# Altium PCB mantarray_beta2_sensor_arrayed.PcbDoc (part 8 of 14)
Units mil, origin at the board's own origin, x right, y up, seen from the top; angles counter-clockwise.
Board outline 6232.47 x 10167.51 mil, 8 copper layers (Layer1_Top, Layer2_sig1, Layer3_AVDD_PLANE, Layer4_GND_PLANE, Layer5_DVDD_PLANE, Layer6_BUS, Layer7_sig2, Layer8_BOT), stack 50.224 mil thick; 470 components, 492 nets, 4650 pads, 3798 vias.
Unrouted connection lines stored in the file: 3.
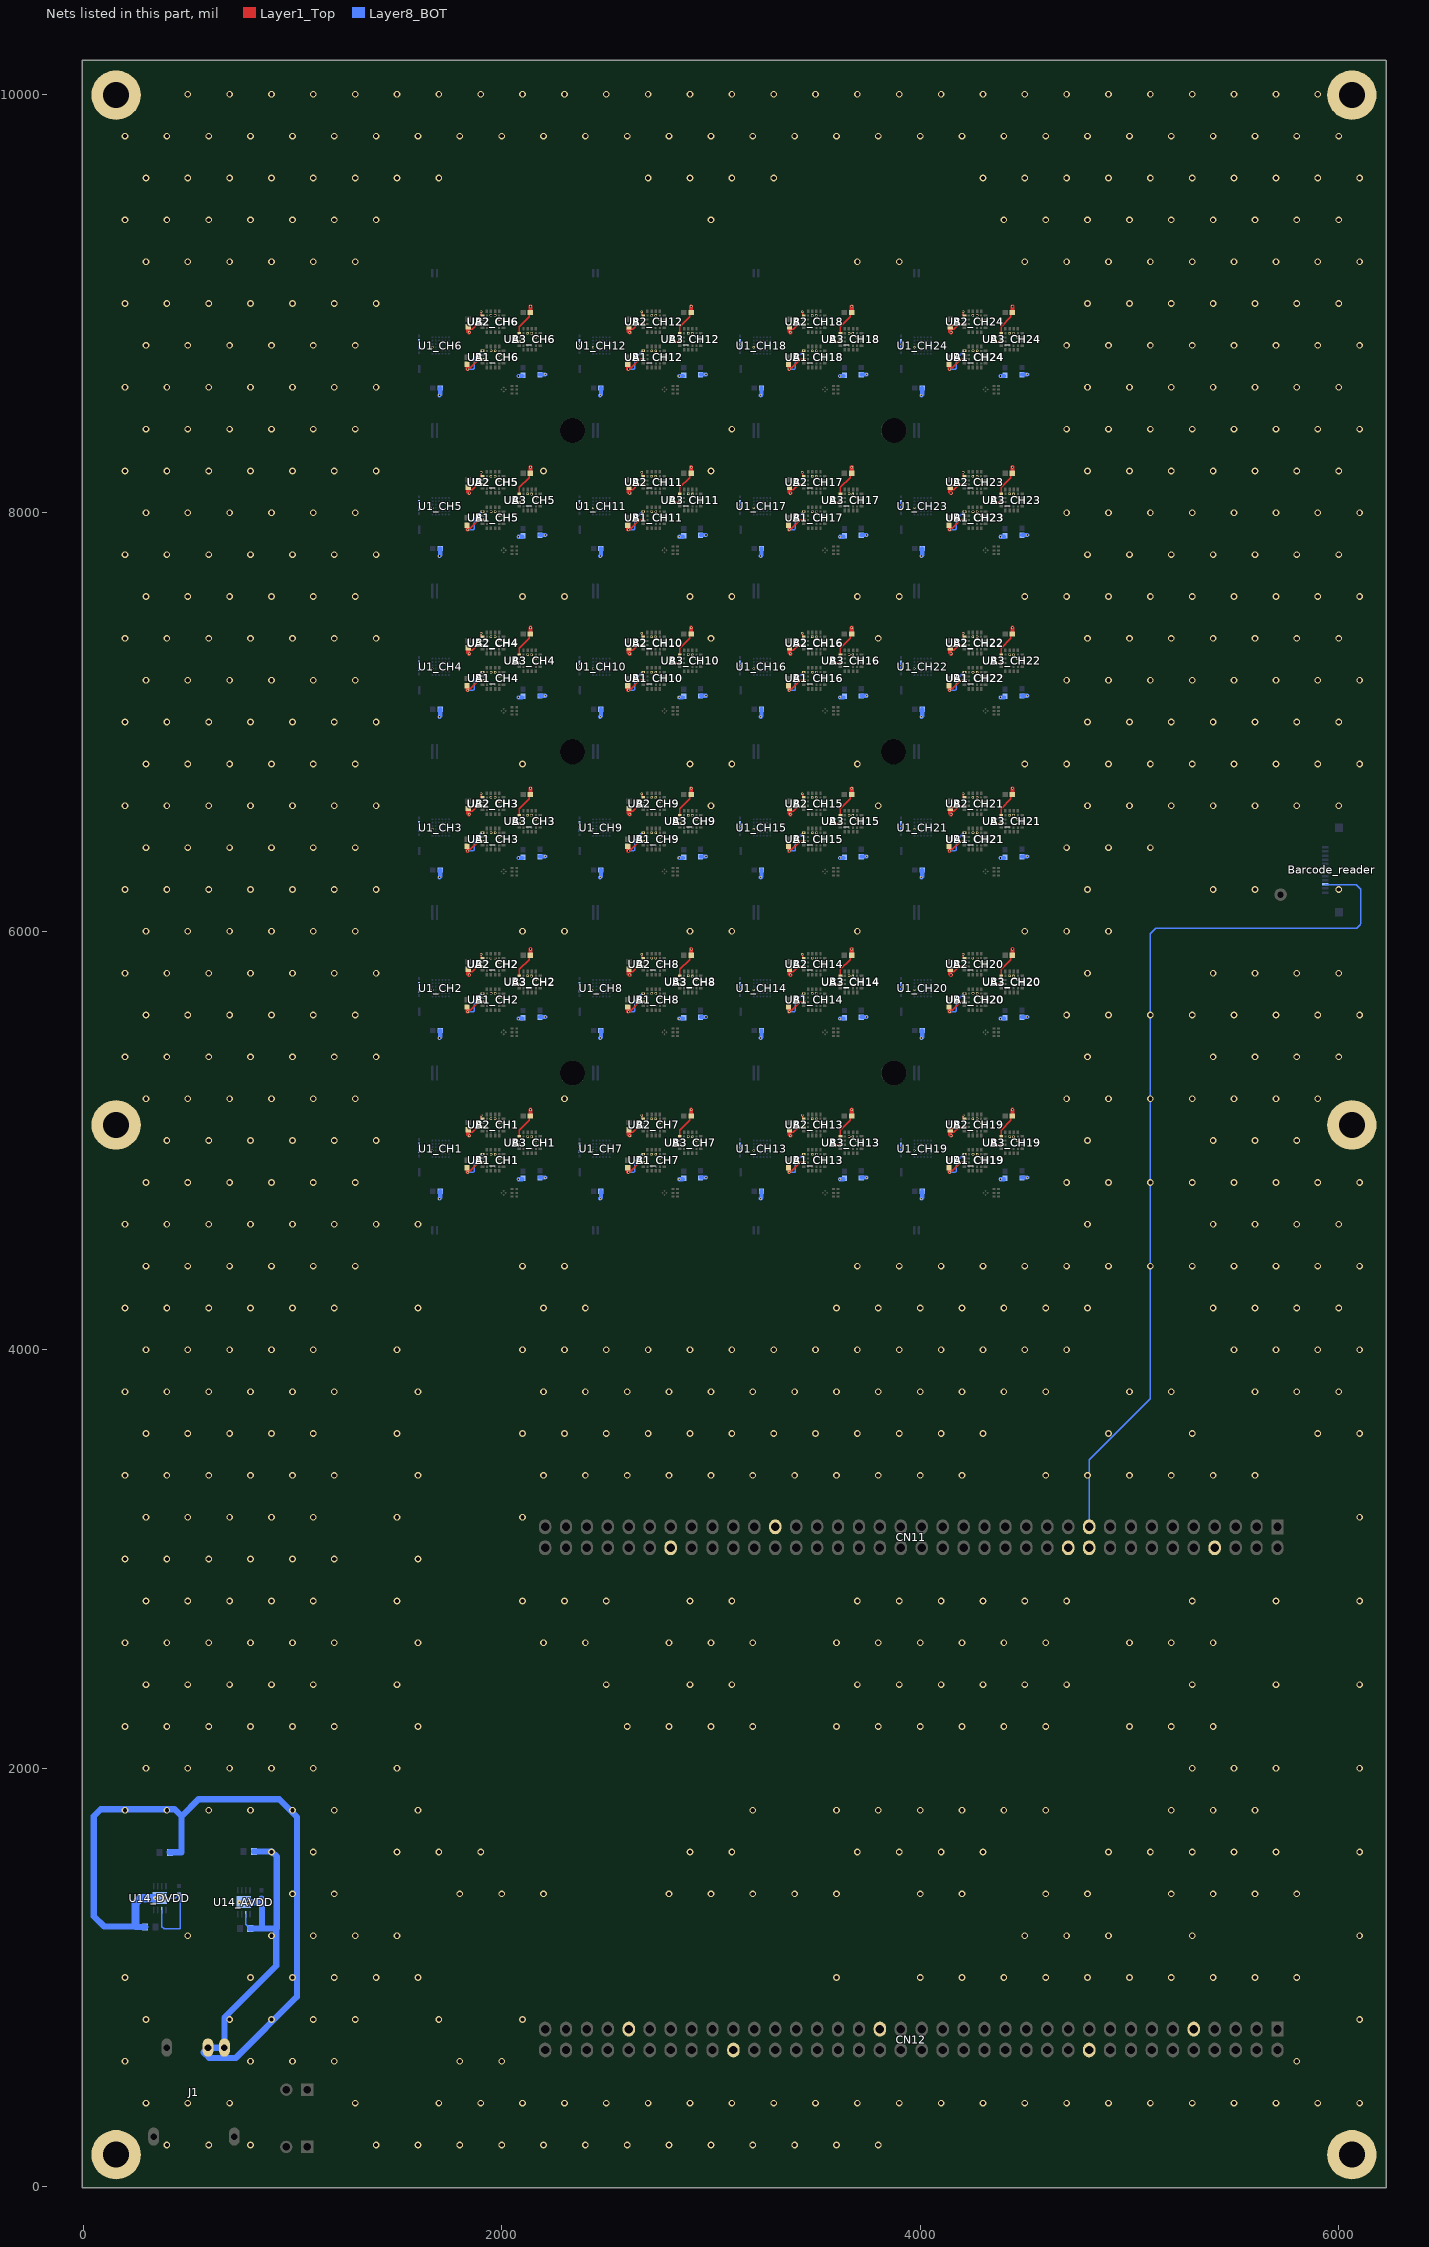
[diagram p14: the nets of this part, all layers, seen from the top]

## Via types
v1: diameter 12/12/12/12/12 (per signal layer), hole 7.87, Layer1_Top to Layer8_BOT, 2208 vias
v2: diameter 32, hole 20, Layer1_Top to Layer8_BOT, 815 vias
v3: diameter 10/10/10/10/10 (per signal layer), hole 7.87, Layer1_Top to Layer8_BOT, 456 vias
v4: diameter 18, hole 8, Layer6_BUS to Layer7_sig2, 102 vias
v5: diameter 10/10 (per signal layer), hole 7.87, Layer7_sig2 to Layer8_BOT, 96 vias
v6: diameter 18, hole 16, Layer1_Top to Layer8_BOT, 57 vias
v7: diameter 12, hole 7.87, Layer1_Top to Layer8_BOT, 26 vias
v8: diameter 18, hole 8, Layer1_Top to Layer8_BOT, 17 vias
v9: diameter 32, hole 16, Layer1_Top to Layer8_BOT, 10 vias
v10: diameter 19.68, hole 7.87, Layer1_Top to Layer8_BOT, 4 vias
v11: diameter 30, hole 20, Layer1_Top to Layer8_BOT, 3 vias
v12: diameter 70.87, hole 47.24, Layer1_Top to Layer8_BOT, 2 vias
v13: diameter 20, hole 16, Layer3_AVDD_PLANE to Layer8_BOT, 1 vias
v14: diameter 20, hole 16, Layer5_DVDD_PLANE to Layer8_BOT, 1 vias

## Nets (pads, with @x,y where several pads share a name; then routed paths per layer and width w, separated by ;. In a path a pad name is that pad's centre, name@x,y a point inside that pad or via, vN(x,y) a via of type N, cw(c..) or ccw(c..) an arc to the next point about the centre after c; other vN are vias at no path point) (continued)
GND: Barcode_reader.10 C1_CH1.1 C1_CH2.1 C1_CH3.1 C1_CH4.1 C1_CH5.1 C1_CH6.1 C1_CH7.1 C1_CH8.1 C1_CH9.1 C1_CH10.1 C1_CH11.1 C1_CH12.1 C1_CH13.1 C1_CH14.1 C1_CH15.1 C1_CH16.1 C1_CH17.1 C1_CH18.1 C1_CH19.1 C1_CH20.1 C1_CH21.1 C1_CH22.1 C1_CH23.1 C1_CH24.1 C2_CH1.1 C2_CH2.1 C2_CH3.1 C2_CH4.1 C2_CH5.1 C2_CH6.1 C2_CH7.1 C2_CH8.1 C2_CH9.1 C2_CH10.1 C2_CH11.1 C2_CH12.1 C2_CH13.1 C2_CH14.1 C2_CH15.1 C2_CH16.1 C2_CH17.1 C2_CH18.1 C2_CH19.1 C2_CH20.1 C2_CH21.1 C2_CH22.1 C2_CH23.1 C2_CH24.1 C3_CH1.1 C3_CH2.1 C3_CH3.1 C3_CH4.1 C3_CH5.1 C3_CH6.1 C3_CH7.1 C3_CH8.1 C3_CH9.1 C3_CH10.1 C3_CH11.1 C3_CH12.1 C3_CH13.1 C3_CH14.1 C3_CH15.1 C3_CH16.1 C3_CH17.1 C3_CH18.1 C3_CH19.1 C3_CH20.1 C3_CH21.1 C3_CH22.1 C3_CH23.1 C3_CH24.1 C71_AVDD.1 C71_DVDD.1 C72_AVDD.1 C72_DVDD.1 C73_AVDD.2 C73_DVDD.2 CA3_CH1.1 CA3_CH2.1 CA3_CH3.1 CA3_CH4.1 CA3_CH5.1 CA3_CH6.1 CA3_CH7.1 CA3_CH8.1 CA3_CH9.1 CA3_CH10.1 CA3_CH11.1 CA3_CH12.1 CA3_CH13.1 CA3_CH14.1 CA3_CH15.1 CA3_CH16.1 CA3_CH17.1 CA3_CH18.1 CA3_CH19.1 CA3_CH20.1 CA3_CH21.1 CA3_CH22.1 CA3_CH23.1 CA3_CH24.1 CA6_CH1.1 CA6_CH2.1 CA6_CH3.1 CA6_CH4.1 CA6_CH5.1 CA6_CH6.1 CA6_CH7.1 CA6_CH8.1 CA6_CH9.1 CA6_CH10.1 CA6_CH11.1 CA6_CH12.1 CA6_CH13.1 CA6_CH14.1 CA6_CH15.1 CA6_CH16.1 CA6_CH17.1 CA6_CH18.1 CA6_CH19.1 CA6_CH20.1 CA6_CH21.1 CA6_CH22.1 CA6_CH23.1 CA6_CH24.1 CA9_CH1.1 CA9_CH2.1 CA9_CH3.1 CA9_CH4.1 CA9_CH5.1 CA9_CH6.1 CA9_CH7.1 CA9_CH8.1 CA9_CH9.1 CA9_CH10.1 CA9_CH11.1 CA9_CH12.1 CA9_CH13.1 CA9_CH14.1 CA9_CH15.1 CA9_CH16.1 CA9_CH17.1 CA9_CH18.1 CA9_CH19.1 CA9_CH20.1 CA9_CH21.1 CA9_CH22.1 CA9_CH23.1 CA9_CH24.1 CN11.8 CN11.19 CN11.20 CN11.22 CN11.49 CN11.60 CN12.9 CN12.20 CN12.39 CN12.54 CN12.63 J1.2 J1.3 pad.0@157.48,153.54 pad.0@157.48,5074.8 pad.0@157.48,9996.06 pad.0@6062.99,153.54 pad.0@6062.99,5074.8 pad.0@6062.99,9996.06 R_bt0_CH1.1 R_bt0_CH2.1 R_bt0_CH3.1 R_bt0_CH4.1 R_bt0_CH5.1 R_bt0_CH6.1 R_bt0_CH7.1 R_bt0_CH8.1 R_bt0_CH9.1 R_bt0_CH10.1 R_bt0_CH11.1 R_bt0_CH12.1 R_bt0_CH13.1 R_bt0_CH14.1 R_bt0_CH15.1 R_bt0_CH16.1 R_bt0_CH17.1 R_bt0_CH18.1 R_bt0_CH19.1 R_bt0_CH20.1 R_bt0_CH21.1 R_bt0_CH22.1 R_bt0_CH23.1 R_bt0_CH24.1 R_rst_CH1.1 R_rst_CH2.1 R_rst_CH3.1 R_rst_CH4.1 R_rst_CH5.1 R_rst_CH6.1 R_rst_CH7.1 R_rst_CH8.1 R_rst_CH9.1 R_rst_CH10.1 R_rst_CH11.1 R_rst_CH12.1 R_rst_CH13.1 R_rst_CH14.1 R_rst_CH15.1 R_rst_CH16.1 R_rst_CH17.1 R_rst_CH18.1 R_rst_CH19.1 R_rst_CH20.1 R_rst_CH21.1 R_rst_CH22.1 R_rst_CH23.1 R_rst_CH24.1 U1_CH1.D6 U1_CH2.D6 U1_CH3.D6 U1_CH4.D6 U1_CH5.D6 U1_CH6.D6 U1_CH7.D6 U1_CH8.D6 U1_CH9.D6 U1_CH10.D6 U1_CH11.D6 U1_CH12.D6 U1_CH13.D6 U1_CH14.D6 U1_CH15.D6 U1_CH16.D6 U1_CH17.D6 U1_CH18.D6 U1_CH19.D6 U1_CH20.D6 U1_CH21.D6 U1_CH22.D6 U1_CH23.D6 U1_CH24.D6 U14_AVDD.2 U14_AVDD.9 U14_DVDD.2 U14_DVDD.9 UA1_CH1.2 UA1_CH1.3 UA1_CH1.12 UA1_CH2.2 UA1_CH2.3 UA1_CH2.12 UA1_CH3.2 UA1_CH3.3 UA1_CH3.12 UA1_CH4.2 UA1_CH4.3 UA1_CH4.12 UA1_CH5.2 UA1_CH5.3 UA1_CH5.12 UA1_CH6.2 UA1_CH6.3 UA1_CH6.12 UA1_CH7.2 UA1_CH7.3 UA1_CH7.12 UA1_CH8.2 UA1_CH8.3 UA1_CH8.12 UA1_CH9.2 UA1_CH9.3 UA1_CH9.12 UA1_CH10.2 UA1_CH10.3 UA1_CH10.12 UA1_CH11.2 UA1_CH11.3 UA1_CH11.12 UA1_CH12.2 UA1_CH12.3 UA1_CH12.12 UA1_CH13.2 UA1_CH13.3 UA1_CH13.12 UA1_CH14.2 UA1_CH14.3 UA1_CH14.12 UA1_CH15.2 UA1_CH15.3 UA1_CH15.12 UA1_CH16.2 UA1_CH16.3 UA1_CH16.12 UA1_CH17.2 UA1_CH17.3 UA1_CH17.12 UA1_CH18.2 UA1_CH18.3 UA1_CH18.12 UA1_CH19.2 UA1_CH19.3 UA1_CH19.12 UA1_CH20.2 UA1_CH20.3 UA1_CH20.12 UA1_CH21.2 UA1_CH21.3 UA1_CH21.12 UA1_CH22.2 UA1_CH22.3 UA1_CH22.12 UA1_CH23.2 UA1_CH23.3 UA1_CH23.12 UA1_CH24.2 UA1_CH24.3 UA1_CH24.12 UA2_CH1.2 UA2_CH1.3 UA2_CH1.12 UA2_CH2.2 UA2_CH2.3 UA2_CH2.12 UA2_CH3.2 UA2_CH3.3 UA2_CH3.12 UA2_CH4.2 UA2_CH4.3 UA2_CH4.12 UA2_CH5.2 UA2_CH5.3 UA2_CH5.12 UA2_CH6.2 UA2_CH6.3 UA2_CH6.12 UA2_CH7.2 UA2_CH7.3 UA2_CH7.12 UA2_CH8.2 UA2_CH8.3 UA2_CH8.12 UA2_CH9.2 UA2_CH9.3 UA2_CH9.12 UA2_CH10.2 UA2_CH10.3 UA2_CH10.12 UA2_CH11.2 UA2_CH11.3 UA2_CH11.12 UA2_CH12.2 UA2_CH12.3 UA2_CH12.12 UA2_CH13.2 UA2_CH13.3 UA2_CH13.12 UA2_CH14.2 UA2_CH14.3 UA2_CH14.12 UA2_CH15.2 UA2_CH15.3 UA2_CH15.12 UA2_CH16.2 UA2_CH16.3 UA2_CH16.12 UA2_CH17.2 UA2_CH17.3 UA2_CH17.12 UA2_CH18.2 UA2_CH18.3 UA2_CH18.12 UA2_CH19.2 UA2_CH19.3 UA2_CH19.12 UA2_CH20.2 UA2_CH20.3 UA2_CH20.12 UA2_CH21.2 UA2_CH21.3 UA2_CH21.12 UA2_CH22.2 UA2_CH22.3 UA2_CH22.12 UA2_CH23.2 UA2_CH23.3 UA2_CH23.12 UA2_CH24.2 UA2_CH24.3 UA2_CH24.12 UA3_CH1.2 UA3_CH1.3 UA3_CH1.12 UA3_CH2.2 UA3_CH2.3 UA3_CH2.12 UA3_CH3.2 UA3_CH3.3 UA3_CH3.12 UA3_CH4.2 UA3_CH4.3 UA3_CH4.12 UA3_CH5.2 UA3_CH5.3 UA3_CH5.12 UA3_CH6.2 UA3_CH6.3 UA3_CH6.12 UA3_CH7.2 UA3_CH7.3 UA3_CH7.12 UA3_CH8.2 UA3_CH8.3 UA3_CH8.12 UA3_CH9.2 UA3_CH9.3 UA3_CH9.12 UA3_CH10.2 UA3_CH10.3 UA3_CH10.12 UA3_CH11.2 UA3_CH11.3 UA3_CH11.12 UA3_CH12.2 UA3_CH12.3 UA3_CH12.12 UA3_CH13.2 UA3_CH13.3 UA3_CH13.12 UA3_CH14.2 UA3_CH14.3 UA3_CH14.12 UA3_CH15.2 UA3_CH15.3 UA3_CH15.12 UA3_CH16.2 UA3_CH16.3 UA3_CH16.12 UA3_CH17.2 UA3_CH17.3 UA3_CH17.12 UA3_CH18.2 UA3_CH18.3 UA3_CH18.12 UA3_CH19.2 UA3_CH19.3 UA3_CH19.12 UA3_CH20.2 UA3_CH20.3 UA3_CH20.12 UA3_CH21.2 UA3_CH21.3 UA3_CH21.12 UA3_CH22.2 UA3_CH22.3 UA3_CH22.12 UA3_CH23.2 UA3_CH23.3 UA3_CH23.12 UA3_CH24.2 UA3_CH24.3 UA3_CH24.12 UB1_CH1.9 UB1_CH1.11 UB1_CH2.9 UB1_CH2.11 UB1_CH3.9 UB1_CH3.11 UB1_CH4.9 UB1_CH4.11 UB1_CH5.9 UB1_CH5.11 UB1_CH6.9 UB1_CH6.11 UB1_CH7.9 UB1_CH7.11 UB1_CH8.9 UB1_CH8.11 UB1_CH9.9 UB1_CH9.11 UB1_CH10.9 UB1_CH10.11 UB1_CH11.9 UB1_CH11.11 UB1_CH12.9 UB1_CH12.11 UB1_CH13.9 UB1_CH13.11 UB1_CH14.9 UB1_CH14.11 UB1_CH15.9 UB1_CH15.11 UB1_CH16.9 UB1_CH16.11 UB1_CH17.9 UB1_CH17.11 UB1_CH18.9 UB1_CH18.11 UB1_CH19.9 UB1_CH19.11 UB1_CH20.9 UB1_CH20.11 UB1_CH21.9 UB1_CH21.11 UB1_CH22.9 UB1_CH22.11 UB1_CH23.9 UB1_CH23.11 UB1_CH24.9 UB1_CH24.11 UB2_CH1.9 UB2_CH1.11 UB2_CH2.9 UB2_CH2.11 UB2_CH3.9 UB2_CH3.11 UB2_CH4.9 UB2_CH4.11 UB2_CH5.9 UB2_CH5.11 UB2_CH6.9 UB2_CH6.11 UB2_CH7.9 UB2_CH7.11 UB2_CH8.9 UB2_CH8.11 UB2_CH9.9 UB2_CH9.11 UB2_CH10.9 UB2_CH10.11 UB2_CH11.9 UB2_CH11.11 UB2_CH12.9 UB2_CH12.11 UB2_CH13.9 UB2_CH13.11 UB2_CH14.9 UB2_CH14.11 UB2_CH15.9 UB2_CH15.11 UB2_CH16.9 UB2_CH16.11 UB2_CH17.9 UB2_CH17.11 UB2_CH18.9 UB2_CH18.11 UB2_CH19.9 UB2_CH19.11 UB2_CH20.9 UB2_CH20.11 UB2_CH21.9 UB2_CH21.11 UB2_CH22.9 UB2_CH22.11 UB2_CH23.9 UB2_CH23.11 UB2_CH24.9 UB2_CH24.11 UB3_CH1.9 UB3_CH1.11 UB3_CH2.9 UB3_CH2.11 UB3_CH3.9 UB3_CH3.11 UB3_CH4.9 UB3_CH4.11 UB3_CH5.9 UB3_CH5.11 UB3_CH6.9 UB3_CH6.11 UB3_CH7.9 UB3_CH7.11 UB3_CH8.9 UB3_CH8.11 UB3_CH9.9 UB3_CH9.11 UB3_CH10.9 UB3_CH10.11 UB3_CH11.9 UB3_CH11.11 UB3_CH12.9 UB3_CH12.11 UB3_CH13.9 UB3_CH13.11 UB3_CH14.9 UB3_CH14.11 UB3_CH15.9 UB3_CH15.11 UB3_CH16.9 UB3_CH16.11 UB3_CH17.9 UB3_CH17.11 UB3_CH18.9 UB3_CH18.11 UB3_CH19.9 UB3_CH19.11 UB3_CH20.9 UB3_CH20.11 UB3_CH21.9 UB3_CH21.11 UB3_CH22.9 UB3_CH22.11 UB3_CH23.9 UB3_CH23.11 UB3_CH24.9 UB3_CH24.11 | length 25981.3
  Layer1_Top w6: CA3_CH1.1@1834.65,4870.47 CA3_CH1.1@1837.33,4867.79 ; CA3_CH2.1@1834.65,5638.19 CA3_CH2.1@1837.33,5635.5 ; CA3_CH3.1@1834.65,6405.91 CA3_CH3.1@1837.33,6403.22 ; CA3_CH4.1@1834.65,7173.62 CA3_CH4.1@1837.33,7170.94 ; CA3_CH5.1@1834.65,7941.34 CA3_CH5.1@1837.33,7938.65 ; CA3_CH6.1@1834.65,8709.06 CA3_CH6.1@1837.33,8706.37 ; v1@1837.33,4849.37 v1@1838.22,4848.48 ; v1@1837.33,5617.09 v1@1838.22,5616.2 ; v1@1837.33,6384.8 v1@1838.22,6383.91 ; v1@1837.33,7152.52 v1@1838.22,7151.63 ; v1@1837.33,7920.24 v1@1838.22,7919.35 ; v1@1837.33,8687.95 v1@1838.22,8687.06 ; v1@1837.91,4848.48 v1@1838.22,4848.48 ; v1@1837.91,5616.2 v1@1838.22,5616.2 ; v1@1837.91,6383.91 v1@1838.22,6383.91 ; v1@1837.91,7151.63 v1@1838.22,7151.63 ; v1@1837.91,7919.35 v1@1838.22,7919.35 ; v1@1837.91,8687.06 v1@1838.22,8687.06 ; v1(1838.28,4848.43) v1@1838.22,4848.48 ; v1(1838.28,5616.14) v1@1838.22,5616.2 ; v1(1838.28,6383.86) v1@1838.22,6383.91 ; v1(1838.28,7151.57) v1@1838.22,7151.63 ; v1(1838.28,7919.29) v1@1838.22,7919.35 ; v1(1838.28,8687.01) v1@1838.22,8687.06 ; CA6_CH1.1@1839.53,5039.57 1839.72,5039.37 1858.27,5039.37 1883.57,5064.67 UB2_CH1.11@1909.16,5064.67 ; CA6_CH2.1@1839.53,5807.28 1839.72,5807.09 1858.27,5807.09 1883.57,5832.39 UB2_CH2.11@1909.16,5832.39 ; CA6_CH3.1@1839.53,6575 1839.72,6574.8 1858.27,6574.8 1883.57,6600.11 UB2_CH3.11@1909.16,6600.11 ; CA6_CH4.1@1839.53,7342.72 1839.72,7342.52 1858.27,7342.52 1883.57,7367.82 UB2_CH4.11@1909.16,7367.82 ; CA6_CH5.1@1839.53,8110.43 1839.72,8110.24 1858.27,8110.24 1883.57,8135.54 UB2_CH5.11@1909.16,8135.54 ; CA6_CH6.1@1839.53,8878.15 1839.72,8877.95 1858.27,8877.95 1883.57,8903.26 UB2_CH6.11@1909.16,8903.26 ; v1(1901.57,5122.05) 1902.72,5120.9 1902.72,5107.24 1905.63,5104.33 UB2_CH1.9@1908.46,5104.33 ; v1(1901.57,5889.76) 1902.72,5888.62 1902.72,5874.95 1905.63,5872.05 UB2_CH2.9@1908.46,5872.05 ; v1(1901.57,6657.48) 1902.72,6656.33 1902.72,6642.67 1905.63,6639.76 UB2_CH3.9@1908.46,6639.76 ; v1(1901.57,7425.2) 1902.72,7424.05 1902.72,7410.39 1905.63,7407.48 UB2_CH4.9@1908.46,7407.48 ; v1(1901.57,8192.91) 1902.72,8191.77 1902.72,8178.1 1905.63,8175.2 UB2_CH5.9@1908.46,8175.2 ; v1(1901.57,8960.63) 1902.72,8959.48 1902.72,8945.82 1905.63,8942.91 UB2_CH6.9@1908.46,8942.91 ; UB1_CH1.11@1908.46,4895.67 1890.61,4895.67 1843.42,4848.48 v1@1838.22,4848.48 ; UB1_CH2.11@1908.46,5663.39 1890.61,5663.39 1843.42,5616.2 v1@1838.22,5616.2 ; UB1_CH3.11@1908.46,6431.1 1890.61,6431.1 1843.42,6383.91 v1@1838.22,6383.91 ; UB1_CH4.11@1908.46,7198.82 1890.61,7198.82 1843.42,7151.63 v1@1838.22,7151.63 ; UB1_CH5.11@1908.46,7966.54 1890.61,7966.54 1843.42,7919.35 v1@1838.22,7919.35 ; UB1_CH6.11@1908.46,8734.25 1890.61,8734.25 1843.42,8687.06 v1@1838.22,8687.06 ; v1(2059.5,4978.55) 2060.38,4979.43 2082.78,4979.43 UB3_CH1.11@2083.66,4980.31 ; v1(2059.5,5746.27) 2060.38,5747.15 2082.78,5747.15 UB3_CH2.11@2083.66,5748.03 ; v1(2059.5,6513.99) 2060.38,6514.87 2082.78,6514.87 UB3_CH3.11@2083.66,6515.75 ; v1(2059.5,7281.7) 2060.38,7282.58 2082.78,7282.58 UB3_CH4.11@2083.66,7283.46 ; v1(2059.5,8049.42) 2060.38,8050.3 2082.78,8050.3 UB3_CH5.11@2083.66,8051.18 ; v1(2059.5,8817.14) 2060.38,8818.02 2082.78,8818.02 UB3_CH6.11@2083.66,8818.9 ; UB3_CH1.9@2083.66,5019.69 2083.66,5050.2 2130.79,5097.32 2130.79,5111.49 CA9_CH1.1@2137.8,5118.5 ; UB3_CH2.9@2083.66,5787.4 2083.66,5817.91 2130.79,5865.04 2130.79,5879.21 CA9_CH2.1@2137.8,5886.22 ; UB3_CH3.9@2083.66,6555.12 2083.66,6585.63 2130.79,6632.75 2130.79,6646.93 CA9_CH3.1@2137.8,6653.94 ; UB3_CH4.9@2083.66,7322.83 2083.66,7353.35 2130.79,7400.47 2130.79,7414.64 CA9_CH4.1@2137.8,7421.65 ; UB3_CH5.9@2083.66,8090.55 2083.66,8121.06 2130.79,8168.19 2130.79,8182.36 CA9_CH5.1@2137.8,8189.37 ; UB3_CH6.9@2083.66,8858.27 2083.66,8888.78 2130.79,8935.9 2130.79,8950.08 CA9_CH6.1@2137.8,8957.09 ; UA3_CH1.3@2124.02,5019.89 v1(2124.53,5019.37) ; UA3_CH2.3@2124.02,5787.61 v1(2124.53,5787.09) ; UA3_CH3.3@2124.02,6555.32 v1(2124.53,6554.81) ; UA3_CH4.3@2124.02,7323.04 v1(2124.53,7322.52) ; UA3_CH5.3@2124.02,8090.76 v1(2124.53,8090.24) ; UA3_CH6.3@2124.02,8858.47 v1(2124.53,8857.96) ; CA3_CH7.1@2602.36,4870.47 CA3_CH7.1@2605.05,4867.79 ; CA3_CH8.1@2602.36,5638.19 CA3_CH8.1@2605.05,5635.5 ; CA3_CH9.1@2602.36,6405.91 CA3_CH9.1@2605.05,6403.22 ; CA3_CH10.1@2602.36,7173.62 CA3_CH10.1@2605.05,7170.94 ; CA3_CH11.1@2602.36,7941.34 CA3_CH11.1@2605.05,7938.65 ; CA3_CH12.1@2602.36,8709.06 CA3_CH12.1@2605.05,8706.37 ; v1@2605.05,4849.37 v1@2605.94,4848.48 ; v1@2605.05,5617.09 v1@2605.94,5616.2 ; v1@2605.05,6384.8 v1@2605.94,6383.91 ; v1@2605.05,7152.52 v1@2605.94,7151.63 ; v1@2605.05,7920.24 v1@2605.94,7919.35 ; v1@2605.05,8687.95 v1@2605.94,8687.06 ; v1@2605.62,4848.48 v1@2605.94,4848.48 ; v1@2605.62,5616.2 v1@2605.94,5616.2 ; v1@2605.62,6383.91 v1@2605.94,6383.91 ; v1@2605.62,7151.63 v1@2605.94,7151.63 ; v1@2605.62,7919.35 v1@2605.94,7919.35 ; v1@2605.62,8687.06 v1@2605.94,8687.06 ; v1(2605.99,4848.43) v1@2605.94,4848.48 ; v1(2605.99,5616.14) v1@2605.94,5616.2 ; v1(2605.99,6383.86) v1@2605.94,6383.91 ; v1(2605.99,7151.57) v1@2605.94,7151.63 ; v1(2605.99,7919.29) v1@2605.94,7919.35 ; v1(2605.99,8687.01) v1@2605.94,8687.06 ; CA6_CH7.1@2607.25,5039.57 2607.44,5039.37 2625.98,5039.37 2651.29,5064.67 UB2_CH7.11@2676.88,5064.67 ; CA6_CH8.1@2607.25,5807.28 2607.44,5807.09 2625.98,5807.09 2651.29,5832.39 UB2_CH8.11@2676.88,5832.39 ; CA6_CH9.1@2607.25,6575 2607.44,6574.8 2625.98,6574.8 2651.29,6600.11 UB2_CH9.11@2676.88,6600.11 ; CA6_CH10.1@2607.25,7342.72 2607.44,7342.52 2625.98,7342.52 2651.29,7367.82 UB2_CH10.11@2676.88,7367.82 ; CA6_CH11.1@2607.25,8110.43 2607.44,8110.24 2625.98,8110.24 2651.29,8135.54 UB2_CH11.11@2676.88,8135.54 ; CA6_CH12.1@2607.25,8878.15 2607.44,8877.95 2625.98,8877.95 2651.29,8903.26 UB2_CH12.11@2676.88,8903.26 ; v1(2669.29,5122.05) 2670.44,5120.9 2670.44,5107.24 2673.34,5104.33 UB2_CH7.9@2676.18,5104.33 ; v1(2669.29,5889.76) 2670.44,5888.62 2670.44,5874.95 2673.34,5872.05 UB2_CH8.9@2676.18,5872.05 ; v1(2669.29,6657.48) 2670.44,6656.33 2670.44,6642.67 2673.34,6639.76 UB2_CH9.9@2676.18,6639.76 ; v1(2669.29,7425.2) 2670.44,7424.05 2670.44,7410.39 2673.34,7407.48 UB2_CH10.9@2676.18,7407.48 ; v1(2669.29,8192.91) 2670.44,8191.77 2670.44,8178.1 2673.34,8175.2 UB2_CH11.9@2676.18,8175.2 ; v1(2669.29,8960.63) 2670.44,8959.48 2670.44,8945.82 2673.34,8942.91 UB2_CH12.9@2676.18,8942.91 ; UB1_CH7.11@2676.18,4895.67 2658.32,4895.67 2611.13,4848.48 v1@2605.94,4848.48 ; UB1_CH8.11@2676.18,5663.39 2658.32,5663.39 2611.13,5616.2 v1@2605.94,5616.2 ; UB1_CH9.11@2676.18,6431.1 2658.32,6431.1 2611.13,6383.91 v1@2605.94,6383.91 ; UB1_CH10.11@2676.18,7198.82 2658.32,7198.82 2611.13,7151.63 v1@2605.94,7151.63 ; UB1_CH11.11@2676.18,7966.54 2658.32,7966.54 2611.13,7919.35 v1@2605.94,7919.35 ; UB1_CH12.11@2676.18,8734.25 2658.32,8734.25 2611.13,8687.06 v1@2605.94,8687.06 ; v1(2827.21,4978.55) 2828.09,4979.43 2850.5,4979.43 UB3_CH7.11@2851.38,4980.31 ; v1(2827.21,5746.27) 2828.09,5747.15 2850.5,5747.15 UB3_CH8.11@2851.38,5748.03 ; v1(2827.21,6513.99) 2828.09,6514.87 2850.5,6514.87 UB3_CH9.11@2851.38,6515.75 ; v1(2827.21,7281.7) 2828.09,7282.58 2850.5,7282.58 UB3_CH10.11@2851.38,7283.46 ; v1(2827.21,8049.42) 2828.09,8050.3 2850.5,8050.3 UB3_CH11.11@2851.38,8051.18 ; v1(2827.21,8817.14) 2828.09,8818.02 2850.5,8818.02 UB3_CH12.11@2851.38,8818.9 ; UB3_CH7.9@2851.38,5019.69 2851.38,5050.2 2898.5,5097.32 2898.5,5111.49 CA9_CH7.1@2905.51,5118.5 ; UB3_CH8.9@2851.38,5787.4 2851.38,5817.91 2898.5,5865.04 2898.5,5879.21 CA9_CH8.1@2905.51,5886.22 ; UB3_CH9.9@2851.38,6555.12 2851.38,6585.63 2898.5,6632.75 2898.5,6646.93 CA9_CH9.1@2905.51,6653.94 ; UB3_CH10.9@2851.38,7322.83 2851.38,7353.35 2898.5,7400.47 2898.5,7414.64 CA9_CH10.1@2905.51,7421.65 ; UB3_CH11.9@2851.38,8090.55 2851.38,8121.06 2898.5,8168.19 2898.5,8182.36 CA9_CH11.1@2905.51,8189.37 ; UB3_CH12.9@2851.38,8858.27 2851.38,8888.78 2898.5,8935.9 2898.5,8950.08 CA9_CH12.1@2905.51,8957.09 ; UA3_CH7.3@2891.73,5019.89 v1(2892.25,5019.37) ; UA3_CH8.3@2891.73,5787.61 v1(2892.25,5787.09) ; UA3_CH9.3@2891.73,6555.32 v1(2892.25,6554.81) ; UA3_CH10.3@2891.73,7323.04 v1(2892.25,7322.52) ; UA3_CH11.3@2891.73,8090.76 v1(2892.25,8090.24) ; UA3_CH12.3@2891.73,8858.47 v1(2892.25,8857.96) ; CA3_CH13.1@3370.08,4870.47 CA3_CH13.1@3372.76,4867.79 ; CA3_CH14.1@3370.08,5638.19 CA3_CH14.1@3372.76,5635.5 ; CA3_CH15.1@3370.08,6405.91 CA3_CH15.1@3372.76,6403.22 ; CA3_CH16.1@3370.08,7173.62 CA3_CH16.1@3372.76,7170.94 ; CA3_CH17.1@3370.08,7941.34 CA3_CH17.1@3372.76,7938.65 ; CA3_CH18.1@3370.08,8709.06 CA3_CH18.1@3372.76,8706.37 ; v1@3372.76,4849.37 v1@3373.65,4848.48 ; v1@3372.76,5617.09 v1@3373.65,5616.2 ; v1@3372.76,6384.8 v1(3373.71,6383.86) ; v1@3372.76,7152.52 v1(3373.71,7151.57) ; v1@3372.76,7920.24 v1(3373.71,7919.29) ; v1@3372.76,8687.95 v1@3373.65,8687.06 ; v1@3373.34,4848.48 v1@3373.65,4848.48 ; v1@3373.34,5616.2 v1@3373.65,5616.2 ; v1@3373.34,6383.91 v1(3373.71,6383.86) ; v1@3373.34,7151.63 v1(3373.71,7151.57) ; v1@3373.34,7919.35 v1(3373.71,7919.29) ; v1@3373.34,8687.06 v1@3373.65,8687.06 ; v1(3373.71,4848.43) v1@3373.65,4848.48 ; v1(3373.71,5616.14) v1@3373.65,5616.2 ; v1(3373.71,6383.86) v1(3373.71,6383.86) ; v1(3373.71,7151.57) v1(3373.71,7151.57) ; v1(3373.71,7919.29) v1(3373.71,7919.29) ; v1(3373.71,8687.01) v1@3373.65,8687.06 ; CA6_CH13.1@3374.96,5039.57 3375.16,5039.37 3393.7,5039.37 3419,5064.67 UB2_CH13.11@3444.6,5064.67 ; CA6_CH14.1@3374.96,5807.28 3375.16,5807.09 3393.7,5807.09 3419,5832.39 UB2_CH14.11@3444.6,5832.39 ; CA6_CH15.1@3374.96,6575 3375.16,6574.8 3393.7,6574.8 3419,6600.11 UB2_CH15.11@3444.6,6600.11 ; CA6_CH16.1@3374.96,7342.72 3375.16,7342.52 3393.7,7342.52 3419,7367.82 UB2_CH16.11@3444.6,7367.82 ; CA6_CH17.1@3374.96,8110.43 3375.16,8110.24 3393.7,8110.24 3419,8135.54 UB2_CH17.11@3444.6,8135.54 ; CA6_CH18.1@3374.96,8878.15 3375.16,8877.95 3393.7,8877.95 3419,8903.26 UB2_CH18.11@3444.6,8903.26 ; v1(3437.01,5122.05) 3438.16,5120.9 3438.16,5107.24 3441.06,5104.33 UB2_CH13.9@3443.9,5104.33 ; v1(3437.01,5889.76) 3438.16,5888.62 3438.16,5874.95 3441.06,5872.05 UB2_CH14.9@3443.9,5872.05 ; v1(3437.01,6657.48) 3438.16,6656.33 3438.16,6642.67 3441.06,6639.76 UB2_CH15.9@3443.9,6639.76 ; v1(3437.01,7425.2) 3438.16,7424.05 3438.16,7410.39 3441.06,7407.48 UB2_CH16.9@3443.9,7407.48 ; v1(3437.01,8192.91) 3438.16,8191.77 3438.16,8178.1 3441.06,8175.2 UB2_CH17.9@3443.9,8175.2 ; v1(3437.01,8960.63) 3438.16,8959.48 3438.16,8945.82 3441.06,8942.91 UB2_CH18.9@3443.9,8942.91 ; UB1_CH13.11@3443.9,4895.67 3426.04,4895.67 3378.85,4848.48 v1@3373.65,4848.48 ; UB1_CH14.11@3443.9,5663.39 3426.04,5663.39 3378.85,5616.2 v1@3373.65,5616.2 ; UB1_CH15.11@3443.9,6431.1 3426.04,6431.1 3378.85,6383.91 v1(3373.71,6383.86) ; UB1_CH16.11@3443.9,7198.82 3426.04,7198.82 3378.85,7151.63 v1(3373.71,7151.57) ; UB1_CH17.11@3443.9,7966.54 3426.04,7966.54 3378.85,7919.35 v1(3373.71,7919.29) ; UB1_CH18.11@3443.9,8734.25 3426.04,8734.25 3378.85,8687.06 v1@3373.65,8687.06 ; v1(3594.93,4978.55) 3595.81,4979.43 3618.21,4979.43 UB3_CH13.11@3619.09,4980.31 ; v1(3594.93,5746.27) 3595.81,5747.15 3618.21,5747.15 UB3_CH14.11@3619.09,5748.03 ; v1(3594.93,6513.99) 3595.81,6514.87 3618.21,6514.87 UB3_CH15.11@3619.09,6515.75 ; v1(3594.93,7281.7) 3595.81,7282.58 3618.21,7282.58 UB3_CH16.11@3619.09,7283.46 ; v1(3594.93,8049.42) 3595.81,8050.3 3618.21,8050.3 UB3_CH17.11@3619.09,8051.18 ; v1(3594.93,8817.14) 3595.81,8818.02 3618.21,8818.02 UB3_CH18.11@3619.09,8818.9 ; UB3_CH13.9@3619.09,5019.69 3619.09,5050.2 3666.22,5097.32 3666.22,5111.49 CA9_CH13.1@3673.23,5118.5 ; UB3_CH14.9@3619.09,5787.4 3619.09,5817.91 3666.22,5865.04 3666.22,5879.21 CA9_CH14.1@3673.23,5886.22 ; UB3_CH15.9@3619.09,6555.12 3619.09,6585.63 3666.22,6632.75 3666.22,6646.93 CA9_CH15.1@3673.23,6653.94 ; UB3_CH16.9@3619.09,7322.83 3619.09,7353.35 3666.22,7400.47 3666.22,7414.64 CA9_CH16.1@3673.23,7421.65 ; UB3_CH17.9@3619.09,8090.55 3619.09,8121.06 3666.22,8168.19 3666.22,8182.36 CA9_CH17.1@3673.23,8189.37 ; UB3_CH18.9@3619.09,8858.27 3619.09,8888.78 3666.22,8935.9 3666.22,8950.08 CA9_CH18.1@3673.23,8957.09 ; UA3_CH13.3@3659.45,5019.89 v1(3659.96,5019.37) ; UA3_CH14.3@3659.45,5787.61 v1(3659.96,5787.09) ; UA3_CH15.3@3659.45,6555.32 v1(3659.96,6554.81) ; UA3_CH16.3@3659.36,7322.95 v1(3659.96,7322.52) ; UA3_CH17.3@3659.45,8090.76 v1(3659.96,8090.24) ; UA3_CH18.3@3659.45,8858.47 v1(3659.96,8857.96) ; CA3_CH19.1@4137.8,4870.47 CA3_CH19.1@4140.48,4867.79 ; CA3_CH20.1@4137.8,5638.19 CA3_CH20.1@4140.48,5635.5 ; CA3_CH21.1@4137.8,6405.91 CA3_CH21.1@4140.48,6403.22 ; CA3_CH22.1@4137.8,7173.62 CA3_CH22.1@4140.48,7170.94 ; CA3_CH23.1@4137.8,7941.34 CA3_CH23.1@4140.48,7938.65 ; CA3_CH24.1@4137.8,8709.06 CA3_CH24.1@4140.48,8706.37 ; v1@4140.48,4849.37 v1@4141.37,4848.48 ; v1@4140.48,5617.09 v1@4141.37,5616.2 ; v1@4140.48,6384.8 v1(4141.43,6383.86) ; v1@4140.48,7152.52 v1(4141.43,7151.57) ; v1@4140.48,7920.24 v1(4141.43,7919.29) ; v1@4140.48,8687.95 v1@4141.37,8687.06 ; v1@4141.06,4848.48 v1@4141.37,4848.48 ; v1@4141.06,5616.2 v1@4141.37,5616.2 ; v1@4141.06,6383.91 v1(4141.43,6383.86) ; v1@4141.06,7151.63 v1(4141.43,7151.57) ; v1@4141.06,7919.35 v1(4141.43,7919.29) ; v1@4141.06,8687.06 v1@4141.37,8687.06 ; v1(4141.43,4848.43) v1@4141.37,4848.48 ; v1(4141.43,5616.14) v1@4141.37,5616.2 ; v1(4141.43,6383.86) v1(4141.43,6383.86) ; v1(4141.43,7151.57) v1(4141.43,7151.57) ; v1(4141.43,7919.29) v1(4141.43,7919.29) ; v1(4141.43,8687.01) v1@4141.37,8687.06 ; CA6_CH19.1@4142.68,5039.57 4142.87,5039.37 4161.42,5039.37 4186.72,5064.67 UB2_CH19.11@4212.31,5064.67 ; CA6_CH20.1@4142.68,5807.28 4142.87,5807.09 4161.42,5807.09 4186.72,5832.39 UB2_CH20.11@4212.31,5832.39 ; CA6_CH21.1@4142.68,6575 4142.87,6574.8 4161.42,6574.8 4186.72,6600.11 UB2_CH21.11@4212.31,6600.11 ; CA6_CH22.1@4142.68,7342.72 4142.87,7342.52 4161.42,7342.52 4186.72,7367.82 UB2_CH22.11@4212.31,7367.82 ; CA6_CH23.1@4142.68,8110.43 4142.87,8110.24 4161.42,8110.24 4186.72,8135.54 UB2_CH23.11@4212.31,8135.54 ; CA6_CH24.1@4142.68,8878.15 4142.87,8877.95 4161.42,8877.95 4186.72,8903.26 UB2_CH24.11@4212.31,8903.26 ; v1(4204.72,5122.05) 4205.87,5120.9 4205.87,5107.24 4208.78,5104.33 UB2_CH19.9@4211.61,5104.33 ; v1(4204.72,5889.76) 4205.87,5888.62 4205.87,5874.95 4208.78,5872.05 UB2_CH20.9@4211.61,5872.05 ; v1(4204.72,6657.48) 4205.87,6656.33 4205.87,6642.67 4208.78,6639.76 UB2_CH21.9@4211.61,6639.76 ; v1(4204.72,7425.2) 4205.87,7424.05 4205.87,7410.39 4208.78,7407.48 UB2_CH22.9@4211.61,7407.48 ; v1(4204.72,8192.91) 4205.87,8191.77 4205.87,8178.1 4208.78,8175.2 UB2_CH23.9@4211.61,8175.2 ; v1(4204.72,8960.63) 4205.87,8959.48 4205.87,8945.82 4208.78,8942.91 UB2_CH24.9@4211.61,8942.91 ; UB1_CH19.11@4211.61,4895.67 4193.76,4895.67 4146.57,4848.48 v1@4141.37,4848.48 ; UB1_CH20.11@4211.61,5663.39 4193.76,5663.39 4146.57,5616.2 v1@4141.37,5616.2 ; UB1_CH21.11@4211.61,6431.1 4193.76,6431.1 4146.57,6383.91 v1(4141.43,6383.86) ; UB1_CH22.11@4211.61,7198.82 4193.76,7198.82 4146.57,7151.63 v1(4141.43,7151.57) ; UB1_CH23.11@4211.61,7966.54 4193.76,7966.54 4146.57,7919.35 v1(4141.43,7919.29) ; UB1_CH24.11@4211.61,8734.25 4193.76,8734.25 4146.57,8687.06 v1@4141.37,8687.06 ; v1(4362.65,4978.55) 4363.53,4979.43 4385.93,4979.43 UB3_CH19.11@4386.81,4980.31 ; v1(4362.65,5746.27) 4363.53,5747.15 4385.93,5747.15 UB3_CH20.11@4386.81,5748.03 ; v1(4362.65,6513.99) 4363.53,6514.87 4385.93,6514.87 UB3_CH21.11@4386.81,6515.75 ; v1(4362.65,7281.7) 4363.53,7282.58 4385.93,7282.58 UB3_CH22.11@4386.81,7283.46 ; v1(4362.65,8049.42) 4363.53,8050.3 4385.93,8050.3 UB3_CH23.11@4386.81,8051.18 ; v1(4362.65,8817.14) 4363.53,8818.02 4385.93,8818.02 UB3_CH24.11@4386.81,8818.9 ; UB3_CH19.9@4386.81,5019.69 4386.81,5050.2 4433.94,5097.32 4433.94,5111.49 CA9_CH19.1@4440.95,5118.5 ; UB3_CH20.9@4386.81,5787.4 4386.81,5817.91 4433.94,5865.04 4433.94,5879.21 CA9_CH20.1@4440.95,5886.22 ; UB3_CH21.9@4386.81,6555.12 4386.81,6585.63 4433.94,6632.75 4433.94,6646.93 CA9_CH21.1@4440.95,6653.94 ; UB3_CH22.9@4386.81,7322.83 4386.81,7353.35 4433.94,7400.47 4433.94,7414.64 CA9_CH22.1@4440.95,7421.65 ; UB3_CH23.9@4386.81,8090.55 4386.81,8121.06 4433.94,8168.19 4433.94,8182.36 CA9_CH23.1@4440.95,8189.37 ; UB3_CH24.9@4386.81,8858.27 4386.81,8888.78 4433.94,8935.9 4433.94,8950.08 CA9_CH24.1@4440.95,8957.09 ; UA3_CH19.3@4427.17,5019.89 v1(4427.68,5019.37) ; UA3_CH20.3@4427.17,5787.61 v1(4427.68,5787.09) ; UA3_CH21.3@4427.17,6555.32 v1(4427.68,6554.81) ; UA3_CH22.3@4427.17,7323.04 v1(4427.68,7322.52) ; UA3_CH23.3@4427.17,8090.76 v1(4427.68,8090.24) ; UA3_CH24.3@4427.17,8858.47 v1(4427.68,8857.96)